# Altium PCB 滑板车模块 - 拼板.PcbDoc (part 1 of 8)
Units mm, origin at the board's own origin, x right, y up, seen from the top; angles counter-clockwise.
Board outline 16 x 13 mm, 2 copper layers (Top Layer, Bottom Layer); 420 components, 26 nets, 2088 pads, 620 vias.
Unrouted connection lines stored in the file: 114.
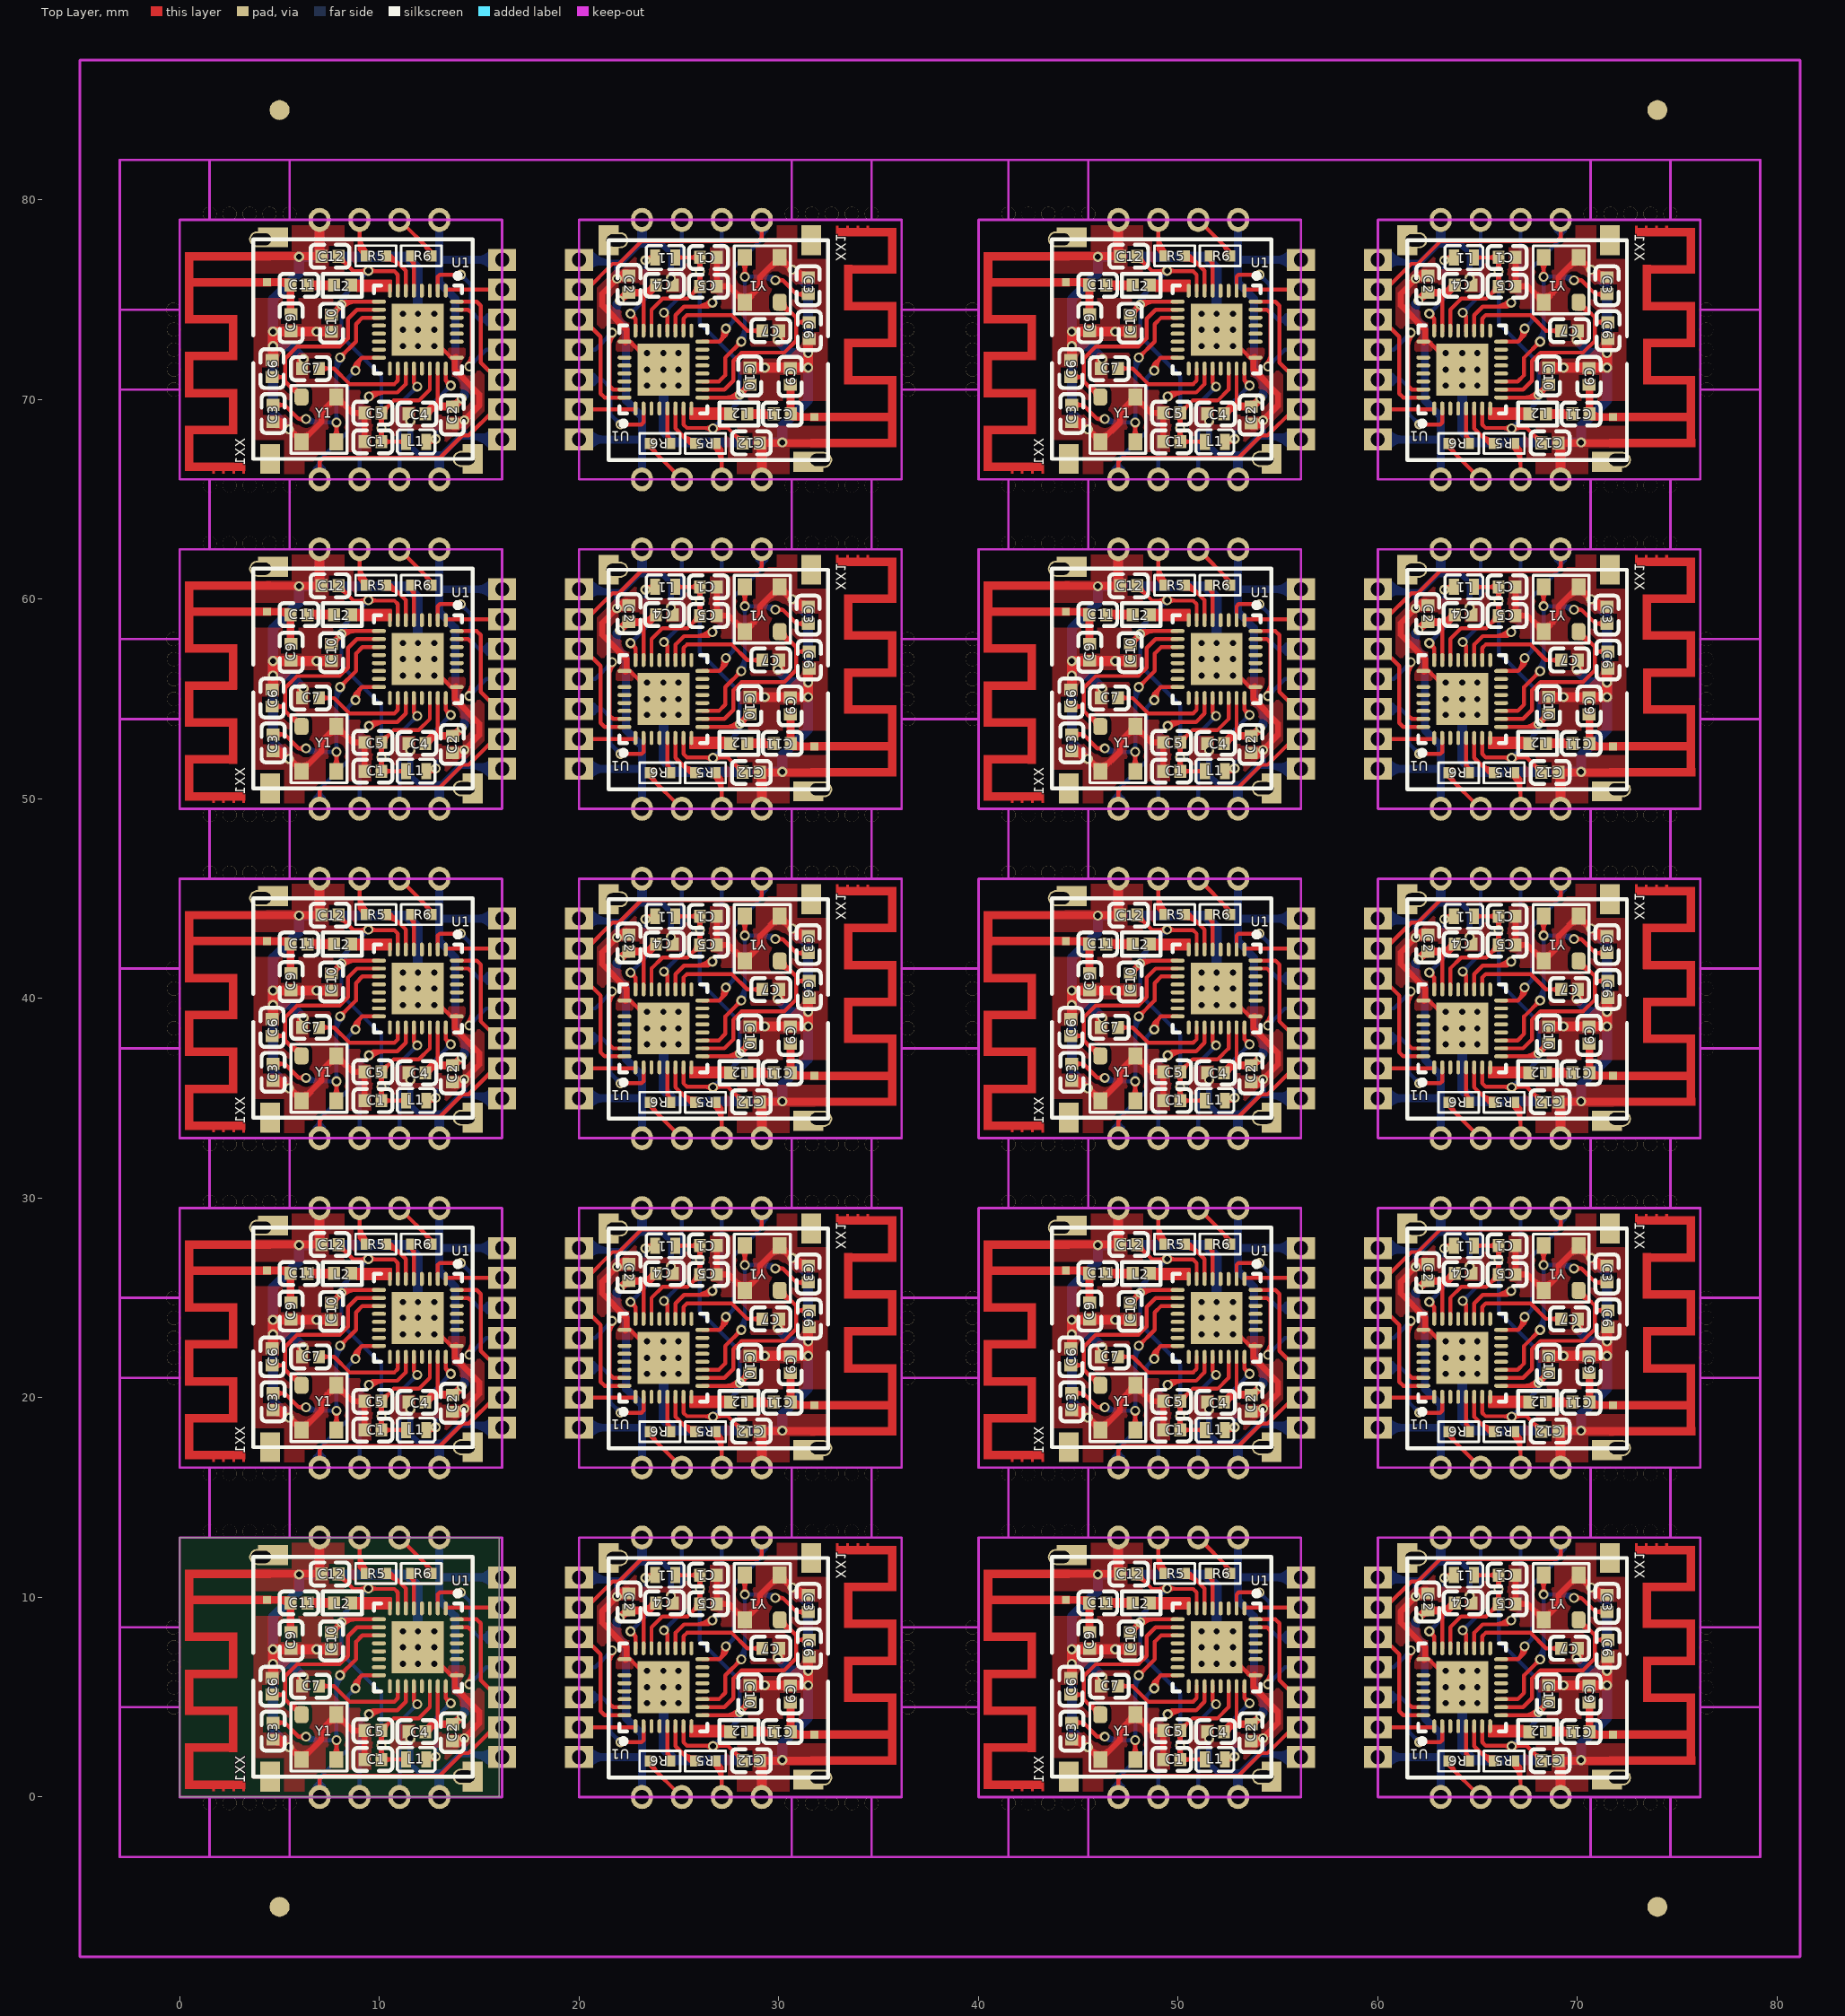
[diagram p0: Top Layer view]
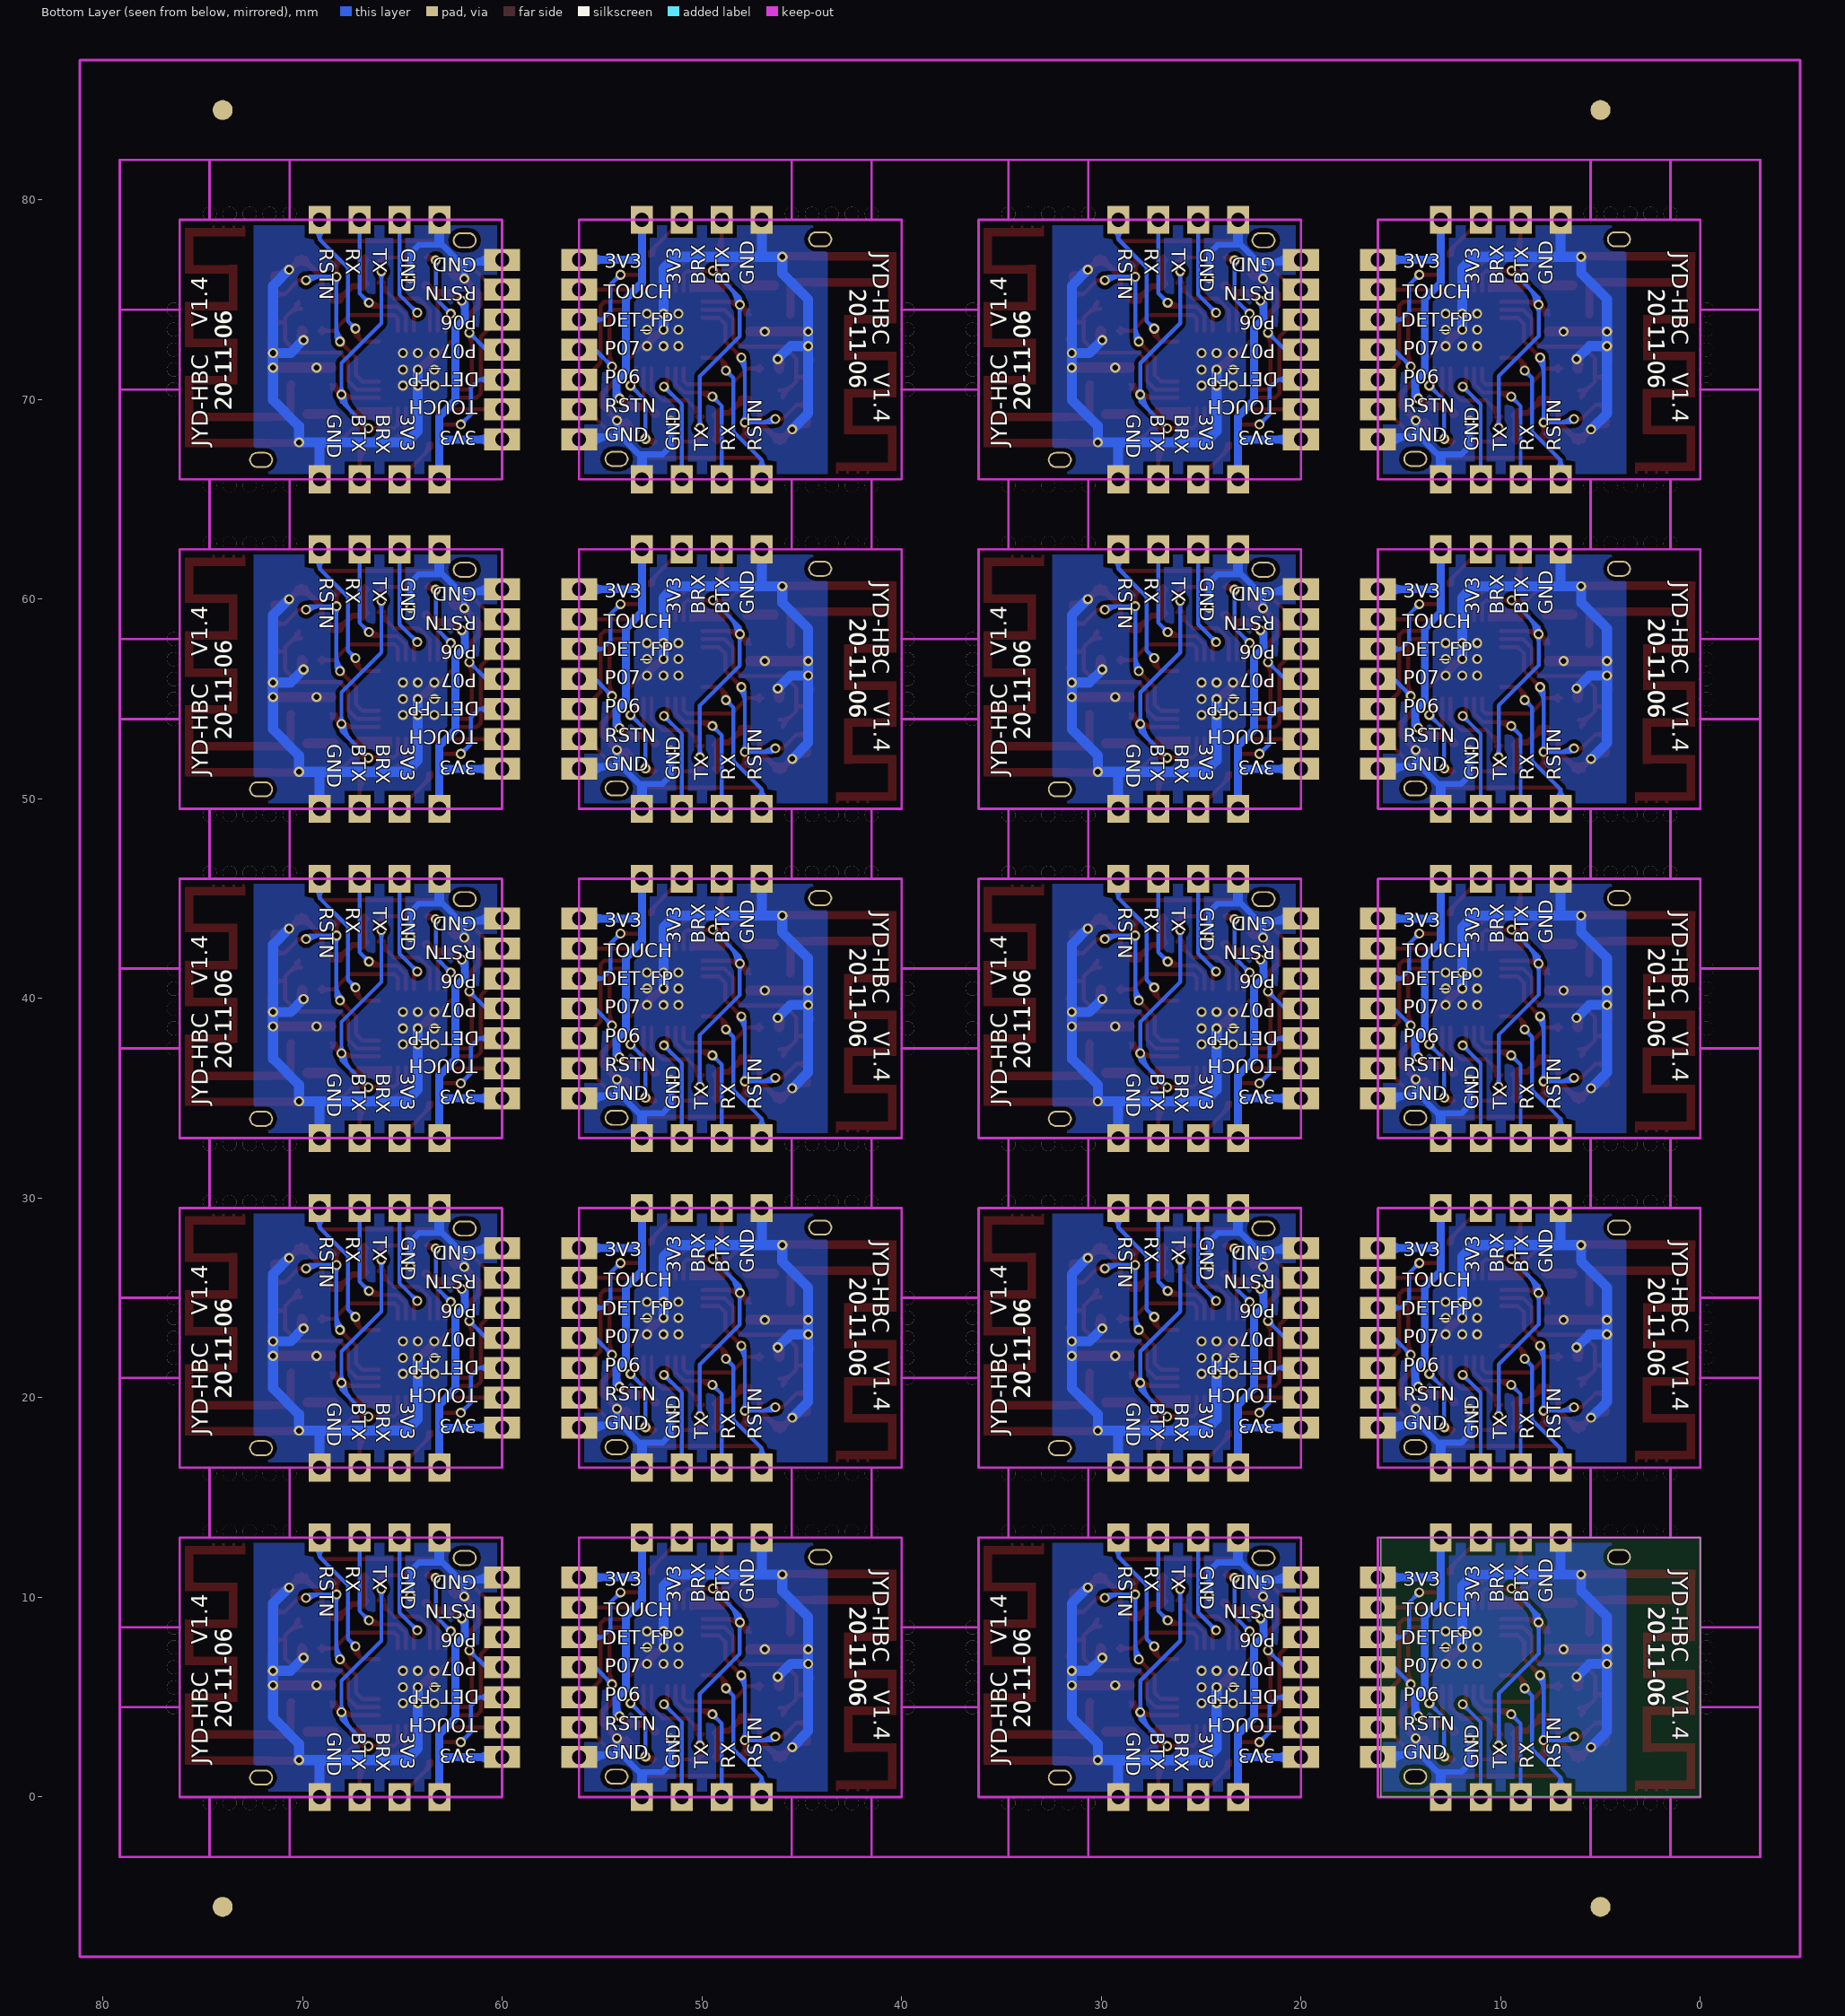
[diagram p1: Bottom Layer view, seen from below]

## Layer stack, top to bottom
Top Layer: signal copper 0.0356
Dielectric: dielectric 0.32, FR-4, Dk 4.8
Bottom Layer: signal copper 0.0356

## Board outline
0,13 16,13 16,0 0,0

## Design rules (kind name [scope] priority, off if disabled: settings)
Clearance Clearance_2 [All] p1 off: gap=0.1
Clearance Clearance_1 [(IsWire)or(IsThruPin)or(IsFill)or(InPolygon) vs (InPolygon)] p2: gap=0
Clearance [All] p3 off: gap=0.2
ComponentClearance [All] p1: gap=0 collisioncheckmode=3 verticalgap=0 showdistances=FALSE
DiffPairsRouting [All] p1: maxlimit=2.032 minlimit=0.152 mostfreqgap=0.2 maxuncoupledlength=12.7
FabricationTestpoint [(IsPad And (OnTopLayer Or OnBottomLayer))] p1: side=3 testpointundercomponent=TRUE minsize=1.016 maxsize=2.54 preferedsize=1.524 minholesize=0 maxholesize=1.016 preferedholesize=0.813 testpointgrid=0.025 allowsidetop=TRUE allowsidebottom=TRUE usegrid=TRUE gridtolerance=0
HoleToHoleClearance [All] p1: gap=0 allowstackedmicrovias=TRUE
MinimumSolderMaskSliver [All] p1: minsoldermaskwidth=0
PolygonConnect PolygonConnect_1 [isvia] p1: connectstyle=Direct reliefconductorwidth=0.254 reliefentries=4 polygonreliefangle="90 Angle" airgapwidth=0.254
PolygonConnect [All] p2: connectstyle=Direct reliefconductorwidth=0.305 reliefentries=4 polygonreliefangle="90 Angle" airgapwidth=0.254
RoutingVias [All] p1: holewidth=0.3 width=0.5 viastyle="Through Hole" minholewidth=0.3 minwidth=0.5 maxholewidth=0.3 maxwidth=0.5
ShortCircuit [All] p1: allowed=TRUE
SilkToSilkClearance [All] p1: silktosilkclearance=0
SilkToSolderMaskClearance [IsPad] p1: minsilkscreentomaskgap=0 clearancetoexposedcopper=TRUE
SolderMaskExpansion [All] p1: expansion=0.102
Width [All] p1: maxlimit=2.032 minlimit=0.1 preferedwidth=0.2
20 further rules are at their usual default settings.

## Classes and differential pairs
component class "仪表-蓝牙-指纹 接线图": J2

## Components (designator, comment, footprint, x,y, rotation, side; value= is the part's Value field where it differs from the comment)
C1 "4.7uF/10V" LC-0402_C 66.475,77.115 r180 top
C1 "4.7uF/10V" LC-0402_C 66.475,60.615 r180 top
C1 "4.7uF/10V" LC-0402_C 66.475,44.115 r180 top
C1 "4.7uF/10V" LC-0402_C 66.475,27.615 r180 top
C1 "4.7uF/10V" LC-0402_C 66.475,11.115 r180 top
C1 "4.7uF/10V" LC-0402_C 26.475,77.115 r180 top
C1 "4.7uF/10V" LC-0402_C 26.475,60.615 r180 top
C1 "4.7uF/10V" LC-0402_C 26.475,44.115 r180 top
C1 "4.7uF/10V" LC-0402_C 26.475,27.615 r180 top
C1 "4.7uF/10V" LC-0402_C 26.475,11.115 r180 top
C1 "4.7uF/10V" LC-0402_C 49.675,67.885 r0 top
C1 "4.7uF/10V" LC-0402_C 49.675,51.385 r0 top
C1 "4.7uF/10V" LC-0402_C 49.675,34.885 r0 top
C1 "4.7uF/10V" LC-0402_C 49.675,18.385 r0 top
C1 "4.7uF/10V" LC-0402_C 49.675,1.885 r0 top
C1 "4.7uF/10V" LC-0402_C 9.675,67.885 r0 top
C1 "4.7uF/10V" LC-0402_C 9.675,51.385 r0 top
C1 "4.7uF/10V" LC-0402_C 9.675,34.885 r0 top
C1 "4.7uF/10V" LC-0402_C 9.675,18.385 r0 top
C1 "4.7uF/10V" LC-0402_C 9.675,1.885 r0 top
C2 "100nF" LC-0402_C 62.5,75.775 r90 top (schematic designator C17)
C2 "100nF" LC-0402_C 62.5,59.275 r90 top (schematic designator C17)
C2 "100nF" LC-0402_C 62.5,42.775 r90 top (schematic designator C17)
C2 "100nF" LC-0402_C 62.5,26.275 r90 top (schematic designator C17)
C2 "100nF" LC-0402_C 62.5,9.775 r90 top (schematic designator C17)
C2 "100nF" LC-0402_C 22.5,75.775 r90 top (schematic designator C17)
C2 "100nF" LC-0402_C 22.5,59.275 r90 top (schematic designator C17)
C2 "100nF" LC-0402_C 22.5,42.775 r90 top (schematic designator C17)
C2 "100nF" LC-0402_C 22.5,26.275 r90 top (schematic designator C17)
C2 "100nF" LC-0402_C 22.5,9.775 r90 top (schematic designator C17)
C2 "100nF" LC-0402_C 53.65,69.225 r270 top (schematic designator C17)
C2 "100nF" LC-0402_C 53.65,52.725 r270 top (schematic designator C17)
C2 "100nF" LC-0402_C 53.65,36.225 r270 top (schematic designator C17)
C2 "100nF" LC-0402_C 53.65,19.725 r270 top (schematic designator C17)
C2 "100nF" LC-0402_C 53.65,3.225 r270 top (schematic designator C17)
C2 "100nF" LC-0402_C 13.65,69.225 r270 top (schematic designator C17)
C2 "100nF" LC-0402_C 13.65,52.725 r270 top (schematic designator C17)
C2 "100nF" LC-0402_C 13.65,36.225 r270 top (schematic designator C17)
C2 "100nF" LC-0402_C 13.65,19.725 r270 top (schematic designator C17)
C2 "100nF" LC-0402_C 13.65,3.225 r270 top (schematic designator C17)
C3 "5.6pF" LC-0402_C 71.475,75.7 r90 top (schematic designator C12)
C3 "5.6pF" LC-0402_C 71.475,59.2 r90 top (schematic designator C12)
C3 "5.6pF" LC-0402_C 71.475,42.7 r90 top (schematic designator C12)
C3 "5.6pF" LC-0402_C 71.475,26.2 r90 top (schematic designator C12)
C3 "5.6pF" LC-0402_C 71.475,9.7 r90 top (schematic designator C12)
C3 "5.6pF" LC-0402_C 31.475,75.7 r90 top (schematic designator C12)
C3 "5.6pF" LC-0402_C 31.475,59.2 r90 top (schematic designator C12)
C3 "5.6pF" LC-0402_C 31.475,42.7 r90 top (schematic designator C12)
C3 "5.6pF" LC-0402_C 31.475,26.2 r90 top (schematic designator C12)
C3 "5.6pF" LC-0402_C 31.475,9.7 r90 top (schematic designator C12)
C3 "5.6pF" LC-0402_C 44.675,69.3 r270 top (schematic designator C12)
C3 "5.6pF" LC-0402_C 44.675,52.8 r270 top (schematic designator C12)
C3 "5.6pF" LC-0402_C 44.675,36.3 r270 top (schematic designator C12)
C3 "5.6pF" LC-0402_C 44.675,19.8 r270 top (schematic designator C12)
C3 "5.6pF" LC-0402_C 44.675,3.3 r270 top (schematic designator C12)
C3 "5.6pF" LC-0402_C 4.675,69.3 r270 top (schematic designator C12)
C3 "5.6pF" LC-0402_C 4.675,52.8 r270 top (schematic designator C12)
C3 "5.6pF" LC-0402_C 4.675,36.3 r270 top (schematic designator C12)
C3 "5.6pF" LC-0402_C 4.675,19.8 r270 top (schematic designator C12)
C3 "5.6pF" LC-0402_C 4.675,3.3 r270 top (schematic designator C12)
C4 "1uF/10V" LC-0402_C 64.275,75.725 r180 top (schematic designator C2)
C4 "1uF/10V" LC-0402_C 64.275,59.225 r180 top (schematic designator C2)
C4 "1uF/10V" LC-0402_C 64.275,42.725 r180 top (schematic designator C2)
C4 "1uF/10V" LC-0402_C 64.275,26.225 r180 top (schematic designator C2)
C4 "1uF/10V" LC-0402_C 64.275,9.725 r180 top (schematic designator C2)
C4 "1uF/10V" LC-0402_C 24.275,75.725 r180 top (schematic designator C2)
C4 "1uF/10V" LC-0402_C 24.275,59.225 r180 top (schematic designator C2)
C4 "1uF/10V" LC-0402_C 24.275,42.725 r180 top (schematic designator C2)
C4 "1uF/10V" LC-0402_C 24.275,26.225 r180 top (schematic designator C2)
C4 "1uF/10V" LC-0402_C 24.275,9.725 r180 top (schematic designator C2)
C4 "1uF/10V" LC-0402_C 51.875,69.275 r0 top (schematic designator C2)
C4 "1uF/10V" LC-0402_C 51.875,52.775 r0 top (schematic designator C2)
C4 "1uF/10V" LC-0402_C 51.875,36.275 r0 top (schematic designator C2)
C4 "1uF/10V" LC-0402_C 51.875,19.775 r0 top (schematic designator C2)
C4 "1uF/10V" LC-0402_C 51.875,3.275 r0 top (schematic designator C2)
C4 "1uF/10V" LC-0402_C 11.875,69.275 r0 top (schematic designator C2)
C4 "1uF/10V" LC-0402_C 11.875,52.775 r0 top (schematic designator C2)
C4 "1uF/10V" LC-0402_C 11.875,36.275 r0 top (schematic designator C2)
C4 "1uF/10V" LC-0402_C 11.875,19.775 r0 top (schematic designator C2)
C4 "1uF/10V" LC-0402_C 11.875,3.275 r0 top (schematic designator C2)
C5 "1uF/6.3" LC-0402_C 66.475,75.675 r180 top (schematic designator C3)
C5 "1uF/6.3" LC-0402_C 66.475,59.175 r180 top (schematic designator C3)
C5 "1uF/6.3" LC-0402_C 66.475,42.675 r180 top (schematic designator C3)
C5 "1uF/6.3" LC-0402_C 66.475,26.175 r180 top (schematic designator C3)
C5 "1uF/6.3" LC-0402_C 66.475,9.675 r180 top (schematic designator C3)
C5 "1uF/6.3" LC-0402_C 26.475,75.675 r180 top (schematic designator C3)
C5 "1uF/6.3" LC-0402_C 26.475,59.175 r180 top (schematic designator C3)
C5 "1uF/6.3" LC-0402_C 26.475,42.675 r180 top (schematic designator C3)
C5 "1uF/6.3" LC-0402_C 26.475,26.175 r180 top (schematic designator C3)
C5 "1uF/6.3" LC-0402_C 26.475,9.675 r180 top (schematic designator C3)
C5 "1uF/6.3" LC-0402_C 49.675,69.325 r0 top (schematic designator C3)
C5 "1uF/6.3" LC-0402_C 49.675,52.825 r0 top (schematic designator C3)
C5 "1uF/6.3" LC-0402_C 49.675,36.325 r0 top (schematic designator C3)
C5 "1uF/6.3" LC-0402_C 49.675,19.825 r0 top (schematic designator C3)
C5 "1uF/6.3" LC-0402_C 49.675,3.325 r0 top (schematic designator C3)
C5 "1uF/6.3" LC-0402_C 9.675,69.325 r0 top (schematic designator C3)
C5 "1uF/6.3" LC-0402_C 9.675,52.825 r0 top (schematic designator C3)
C5 "1uF/6.3" LC-0402_C 9.675,36.325 r0 top (schematic designator C3)
C5 "1uF/6.3" LC-0402_C 9.675,19.825 r0 top (schematic designator C3)
C5 "1uF/6.3" LC-0402_C 9.675,3.325 r0 top (schematic designator C3)
C6 "5.6pF" LC-0402_C 71.525,73.45 r270 top (schematic designator C11)
C6 "5.6pF" LC-0402_C 71.525,56.95 r270 top (schematic designator C11)
C6 "5.6pF" LC-0402_C 71.525,40.45 r270 top (schematic designator C11)
C6 "5.6pF" LC-0402_C 71.525,23.95 r270 top (schematic designator C11)
C6 "5.6pF" LC-0402_C 71.525,7.45 r270 top (schematic designator C11)
C6 "5.6pF" LC-0402_C 31.525,73.45 r270 top (schematic designator C11)
C6 "5.6pF" LC-0402_C 31.525,56.95 r270 top (schematic designator C11)
C6 "5.6pF" LC-0402_C 31.525,40.45 r270 top (schematic designator C11)
C6 "5.6pF" LC-0402_C 31.525,23.95 r270 top (schematic designator C11)
C6 "5.6pF" LC-0402_C 31.525,7.45 r270 top (schematic designator C11)
C6 "5.6pF" LC-0402_C 44.625,71.55 r90 top (schematic designator C11)
C6 "5.6pF" LC-0402_C 44.625,55.05 r90 top (schematic designator C11)
C6 "5.6pF" LC-0402_C 44.625,38.55 r90 top (schematic designator C11)
C6 "5.6pF" LC-0402_C 44.625,22.05 r90 top (schematic designator C11)
C6 "5.6pF" LC-0402_C 44.625,5.55 r90 top (schematic designator C11)
C6 "5.6pF" LC-0402_C 4.625,71.55 r90 top (schematic designator C11)
C6 "5.6pF" LC-0402_C 4.625,55.05 r90 top (schematic designator C11)
C6 "5.6pF" LC-0402_C 4.625,38.55 r90 top (schematic designator C11)
C6 "5.6pF" LC-0402_C 4.625,22.05 r90 top (schematic designator C11)
C6 "5.6pF" LC-0402_C 4.625,5.55 r90 top (schematic designator C11)
C7 "100nF" LC-0402_C 69.6,73.45 r180 top
C7 "100nF" LC-0402_C 69.6,56.95 r180 top
C7 "100nF" LC-0402_C 69.6,40.45 r180 top
C7 "100nF" LC-0402_C 69.6,23.95 r180 top
C7 "100nF" LC-0402_C 69.6,7.45 r180 top
C7 "100nF" LC-0402_C 29.6,73.45 r180 top
C7 "100nF" LC-0402_C 29.6,56.95 r180 top